# Altium PCB Bran_Main_Assay_PCB_v1.PcbDoc (part 3 of 4)
Units mil, origin at the board's own origin, x right, y up, seen from the top; angles counter-clockwise.
Board outline 3464.57 x 1881.89 mil, 6 copper layers (TOP, GND1, Singal, POWER, GND2, BOTTOM), stack 47.65 mil thick; 366 components, 309 nets, 1358 pads, 596 vias.
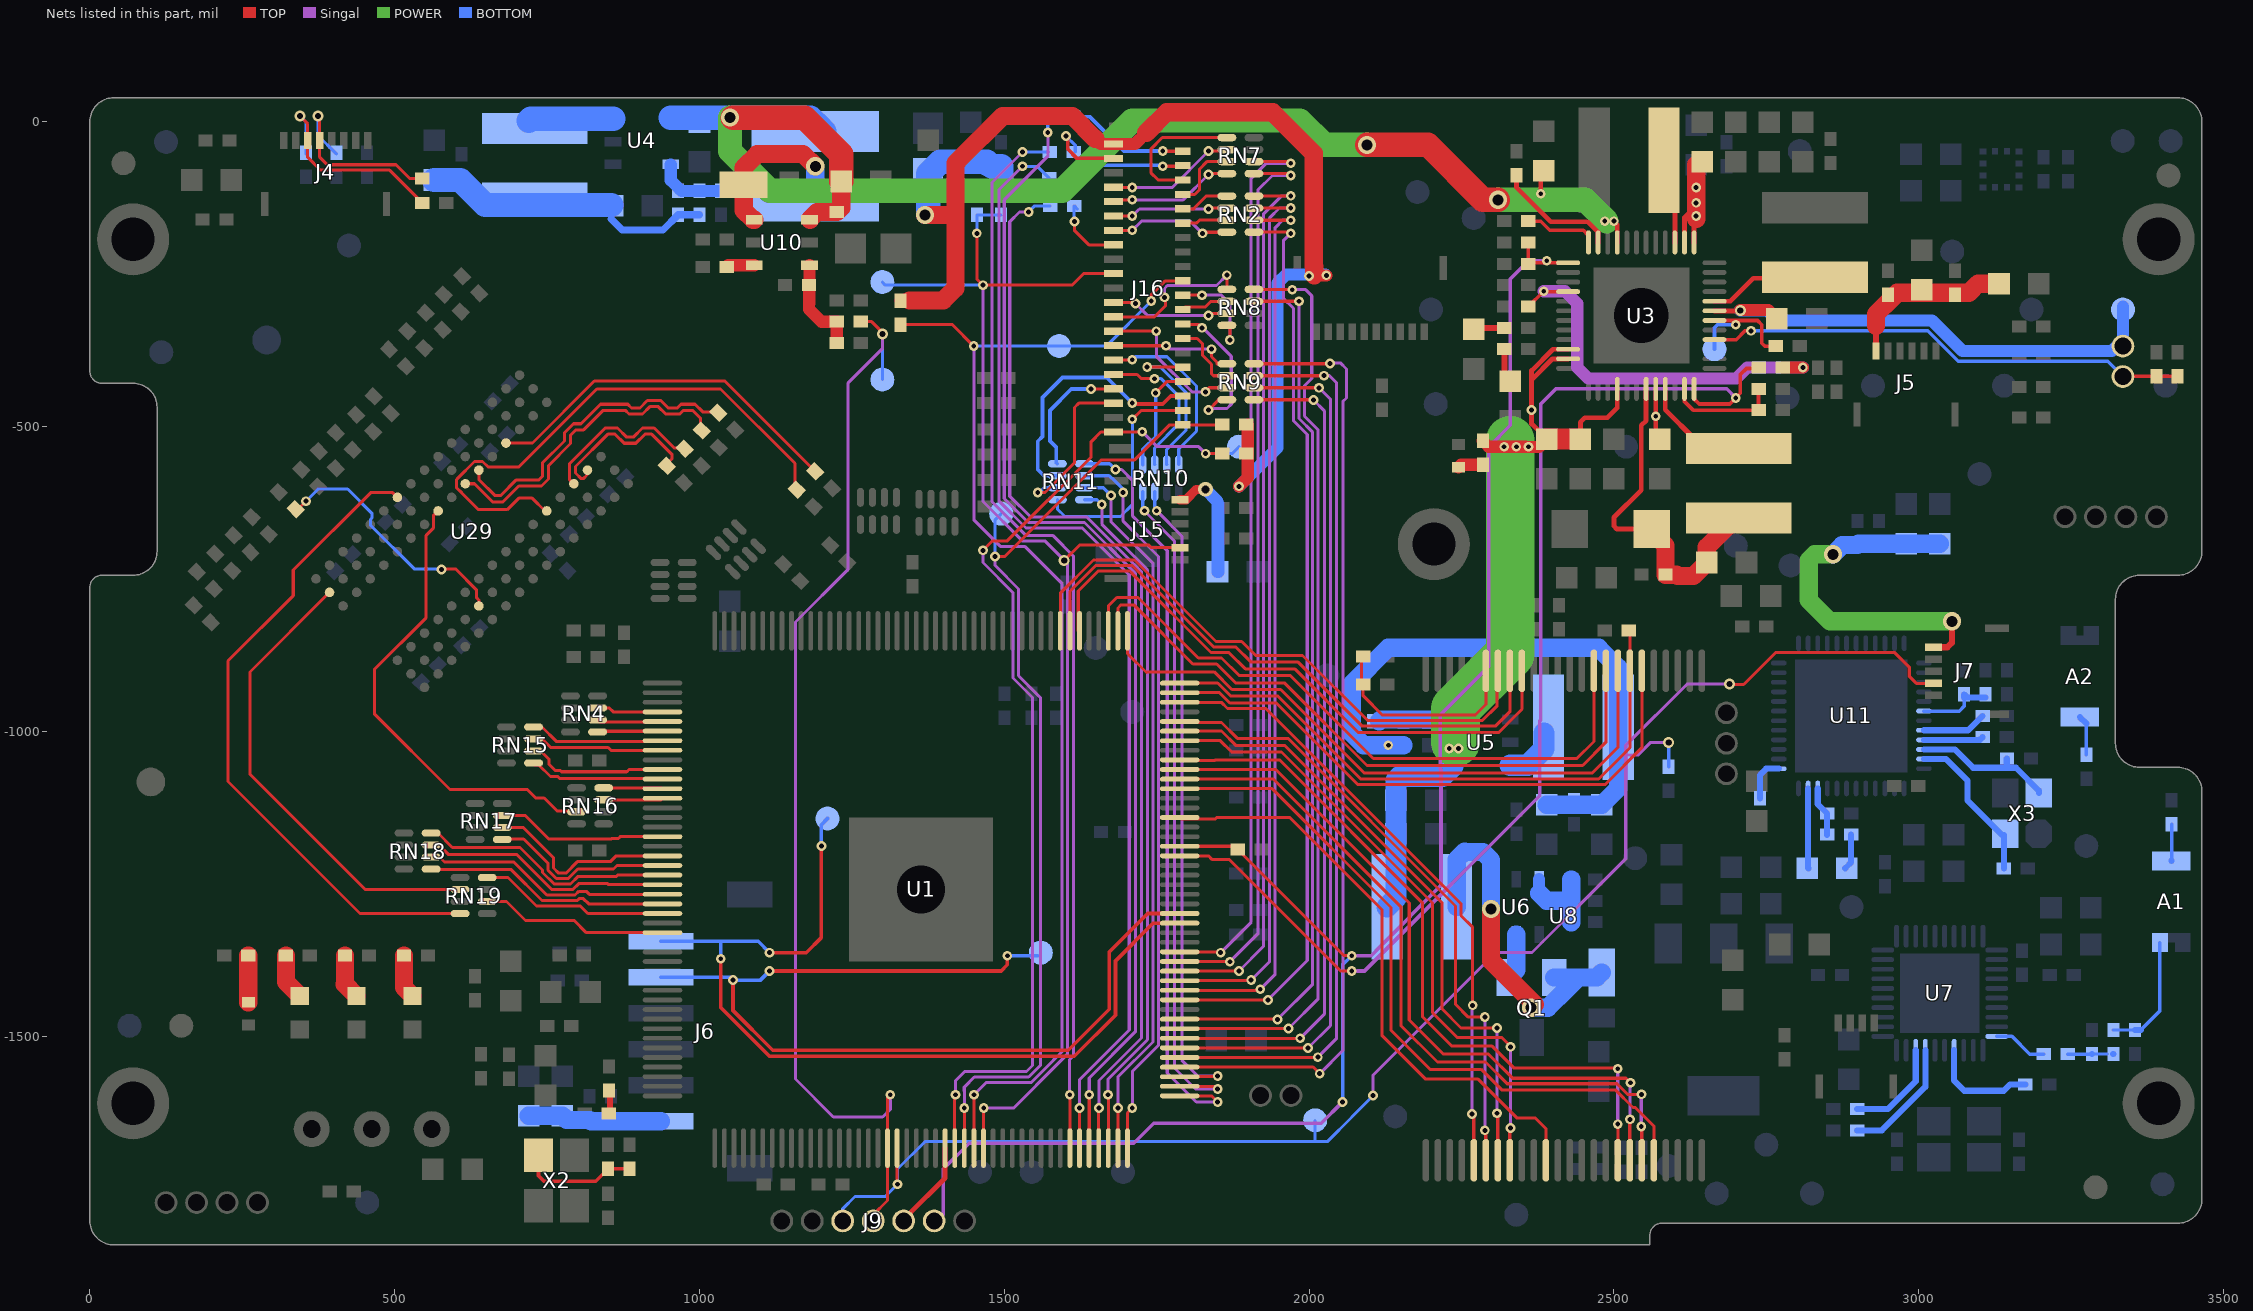
[diagram p7: the nets of this part, all layers, seen from the top]

## Via types
v1: diameter 16, hole 8, TOP to BOTTOM, tented both sides, 396 vias
v2: diameter 30, hole 18, TOP to BOTTOM, tented both sides, 64 vias
v3: diameter 18, hole 10, TOP to BOTTOM, tented both sides, 60 vias
v4: diameter 22, hole 12, TOP to BOTTOM, tented both sides, 35 vias
v5: diameter 25.98, hole 12.99, TOP to BOTTOM, tented both sides, 16 vias
v6: diameter 24, hole 13, TOP to BOTTOM, tented both sides, 15 vias
v7: diameter 19.68, hole 7.87, TOP to BOTTOM, tented both sides, 9 vias
v8: diameter 17.99, hole 10, TOP to BOTTOM, tented both sides, 1 vias

## Nets (pads, with @x,y where several pads share a name; then routed paths per layer and width w, separated by ;. In a path a pad name is that pad's centre, name@x,y a point inside that pad or via, vN(x,y) a via of type N, cw(c..) or ccw(c..) an arc to the next point about the centre after c; other vN are vias at no path point) (continued)
IPSOUT: C39.1 C40.2 C47.1 C50.1 C57.1 C64.1 C67.1 C68.1 C72.1 C114.2 C115.2 J12.1 L6.1 L7.1 R20.1 TP36.1 U3.7 U3.13 U3.14 U3.21 U3.34 U3.35 U3.40 U3.44 U4.4 U5.4 U10.6 | length 4907.3
  TOP w8: v1(2380,-118.15) 2380,-85.65 C67.1@2385,-80.65 ; C40.2@2390,-520.65 2365,-495.65 v1(2365,-473.15) 2365,-423.15 ; U3.35@2424.92,-389.02 2398.91,-389.02 2398.91,-389.24 2365,-423.15 ; U3.34@2424.92,-373.27 2400.13,-373.27 2365,-408.4 2365,-423.15 ; C68.1@2445,-520.65 2445,-493.15 2452.5,-485.65 2489.47,-485.65 2505.63,-469.49 U3.40@2505.63,-438.23 ; v1(2500,-163.15) 2505.63,-168.78 U3.21@2505.63,-198.07 ; U3.44@2568.62,-438.23 v1(2568.62,-483.15) 2568.62,-514.27 C39.1@2575,-520.65 ; U3.14@2615.87,-198.07 2615.87,-157.28 2623.39,-149.76 2631.61,-149.76 2631.61,-154.76 U3.13@2631.61,-198.07 ; U3.7@2665.08,-310.28 2706.72,-310.28 v3(2707.37,-309.63) v3@2707.98,-309.02
  TOP w20: R20.1@2285,-523.46 2294.69,-533.15 v1(2320,-533.15) v1(2340,-533.15) v1@2354.69,-533.15 ; v1@2355,-533.46 2360,-533.46 2377.19,-533.46 C40.2@2390,-520.65 ; v3@2707.37,-309.02 2707.98,-309.02 2753.37,-309.02 C47.1@2767.5,-323.15
  TOP w30: U10.6@1181.4,-160.75 1181.4,-159.62 1192.87,-148.15 C115.2@1225.31,-148.15 1232.5,-140.96 C114.2@1232.5,-98.15 ; v1@2635,-159.76 v1(2635,-154.76) v1(2635,-133.15) v1(2635,-108.15) C57.1@2635,-70.65
  TOP w35: C40.2@2390,-520.65 C68.1@2445,-520.65
  TOP w40: v2@1054.89,6.74 1172.61,6.74 1232.5,-53.15 C114.2@1232.5,-98.15 ; v2(2095,-38.15) 2195.15,-38.15 2285.15,-128.15 v2(2310,-128.15)
  POWER w35: v1(2230,-1028.15) 2237.5,-1020.65 2240,-1018.15
  POWER w40: v2(1050,6.85) 1050,-48.15 1115,-113.15 1595,-113.15 1710,1.85 1985,1.85 2025,-38.15 v2(2095,-38.15) ; v2(2310,-128.15) 2380,-128.15 2453,-128.15 2486.5,-161.65 v1@2488,-163.15
  POWER w80: 2240,-1018.15 2240,-963.15 2330,-873.15 2330,-533.15 2330,-523.15
  BOTTOM w20: v3(2707.37,-309.63) 2751.48,-309.63 2768,-326.15 3022.04,-326.15 3072.04,-376.15 3317,-376.15 3330,-363.15 J12.1@3335,-368.15 TP36.1@3335,-308.15 TP36.1@3335,-303.15
  BOTTOM w35: L6.1@2127.91,-1288.15 2142.5,-1273.56 C72.1@2142.5,-1168.15 C64.1@2142.5,-1113.15 2142.5,-1080.65 2149.22,-1073.93 2219.1,-1073.93 U5.4@2235.51,-1057.52 2235.51,-1039.17 2234.74,-1038.41 2230,-1033.66 v1(2230,-1028.15)
  BOTTOM w40: U4.4@952.86,6.74 1000,6.74 1050,6.74 1182.2,6.74 1197.5,-8.56 L7.1@1205,-16.06
  other v1: 2245,-1028.15 2360,-533.15 2485,-163.15
JTAG_CLK: J9.5 U1.113 | length 142
  TOP w8: J9.5@1335,-1793.15 1342.63,-1793.15 1402.96,-1732.82 U1.113@1402.96,-1683.75
LCD-BL-EN: J9.4 R47.2 TP51.1 U1.107 | length 1820.7
  TOP w5: R47.2@1264.69,-328.15 1282.5,-328.15 1300,-345.65 v3(1300,-348.15) ; J9.4@1285,-1793.15 1308.47,-1769.68 U1.107@1308.47,-1683.75 1308.47,-1600.68 v1(1313,-1596.15)
  Singal w5: v3(1300,-348.15) 1300,-372.69 1243.37,-429.32 1243.37,-734.78 1157.37,-820.78 1157.37,-1570.52 1219.5,-1632.65 1300.5,-1632.65 1313,-1620.15 v1(1313,-1596.15)
  BOTTOM w5: TP51.1@1300,-423.15 v3(1300,-348.15)
LCD-CLK: R54.2 U1.129 | length 1768.6
  TOP w5: U1.129@1654.93,-1683.75 v1@1654.93,-1618.59
  Singal w5: v1(1540,-148.15) 1525,-148.15 1509,-164.15 1509,-614.42 1543.21,-648.63 1635.48,-648.63 1725,-738.15 1725,-1503.15 1655.37,-1572.78 v1(1655.37,-1618.15)
  BOTTOM w5: v1(1540,-148.15) 1550,-138.15 R54.2@1575.31,-138.15
LCD-D2: RN7.2 U1.148 | length 1493.5
  TOP w5: U1.148@1787.8,-1361.9 v1@1853.75,-1361.9 ; RN7.2@1909.6,-65.47 1967.32,-65.47 v1(1970,-68.15)
  Singal w5: v1(1855,-1363.15) 1905,-1313.15 1905,-93.15 1930,-68.15 v1(1970,-68.15)
LCD-D3: RN7.1 U1.147 | length 1492.3
  TOP w5: U1.147@1787.8,-1377.65 1848.99,-1377.65 ; 1848.99,-1377.65 v1@1869.5,-1377.65 ; RN7.1@1909.6,-85.16 1967.01,-85.16 v1(1970,-88.15)
  Singal w5: v1(1870,-1378.15) 1916,-1332.15 1916,-112.15 1940,-88.15 v1(1970,-88.15)
LCD-D4: RN2.4 U1.146 | length 1472.4
  TOP w5: U1.146@1787.8,-1393.4 v1@1884.75,-1393.4 ; RN2.4@1909.6,-122.1 v1@1969.53,-122.1
  Singal w5: v1(1885,-1393.15) 1925,-1353.15 1925,-151.63 1955,-121.63 v1(1970,-121.63)
LCD-D5: RN2.3 U1.145 | length 1480.7
  TOP w5: U1.145@1787.8,-1409.15 v1@1904,-1409.15 ; RN2.3@1909.6,-141.79 v1@1969.84,-141.79
  Singal w5: v1(1905,-1408.15) 1935.37,-1377.78 1935.37,-157.78 1951.52,-141.63 v1(1970,-141.63)
LCD-D6: RN2.2 U1.144 | length 1480.8
  TOP w5: U1.144@1787.8,-1424.89 v1@1918.26,-1424.89
  TOP w6: RN2.2@1909.6,-161.47 v1@1969.84,-161.47
  Singal w5: v1(1920,-1423.15) 1944.37,-1398.78 1944.37,-173.78 1956.52,-161.63 v1(1970,-161.63)
LCD-D7: RN2.1 U1.143 | length 1508.6
  TOP w5: U1.143@1787.8,-1440.64 v1(1932.51,-1440.64) ; RN2.1@1909.6,-181.16 v1@1968.01,-181.16
  Singal w5: v1(1932.51,-1440.64) 1997,-1376.15 1997,-513.24 1974.37,-490.61 1974.37,-306.14 1957.87,-289.64 1957.87,-195.28 v1(1970,-183.15)
LCD-D10: RN8.3 U1.141 | length 1445.9
  TOP w5: U1.141@1787.8,-1472.14 1947.88,-1472.14 v1(1948.37,-1472.63)
  TOP w6: RN8.3@1909.6,-294.79 1983.21,-294.79 v1(1983.37,-294.63)
  Singal w5: v1(1948.37,-1472.63) 2006,-1415 2006,-509.51 1983.37,-486.88 v1(1983.37,-294.63)
LCD-D11: RN8.4 U1.140 | length 1514.1
  TOP w5: U1.140@1787.8,-1487.89 1966.12,-1487.89 v1(1966.37,-1487.63) ; RN8.4@1909.6,-275.1 v1@1972.37,-275.1
  Singal w5: v1(1966.37,-1487.63) 2015,-1439 2015,-505.78 1992.37,-483.15 1992.37,-433.15 2004.37,-421.15 2004.37,-285.63 1994.37,-275.63 v1(1972.37,-275.63)
LCD-D12: RN9.1 U1.139 | length 1366.3
  TOP w5: U1.139@1787.8,-1503.62 v1(1985.37,-1503.63) ; RN9.1@1909.6,-456.16 2006.9,-456.16 v1(2007.37,-456.63)
  Singal w5: v1(1985.37,-1503.63) 2025,-1464 2025,-474.26 v1(2007.37,-456.63)
LCD-D13: RN9.2 U1.138 | length 1423.5
  TOP w5: U1.138@1787.8,-1519.38 1998.12,-1519.38 v1(1998.37,-1519.63)
  TOP w6: RN9.2@1909.6,-436.47 2016.37,-436.47 v1(2016.37,-436.63)
  Singal w5: v1(1998.37,-1519.63) 2035,-1483 2035,-455.26 v1(2016.37,-436.63)
LCD-D14: RN9.3 U1.137 | length 1486.5
  TOP w5: U1.137@1787.8,-1535.12 2013.88,-1535.12 v1(2014.37,-1534.63) ; RN9.3@1909.6,-416.79 2024.37,-416.79 v1(2024.37,-416.63)
  Singal w5: v1(2014.37,-1534.63) 2045.37,-1503.63 2045.37,-428.63 2033.37,-416.63 v1(2024.37,-416.63)
LCD-D15: RN9.4 U1.136 | length 1565
  TOP w5: U1.136@1787.8,-1550.88 2006.62,-1550.88 v1(2017.37,-1561.63) ; RN9.4@1909.6,-397.1 2034.37,-397.1 v1(2034.37,-396.63)
  Singal w5: v1(2017.37,-1561.63) 2055.5,-1523.5 2055.5,-459.02 2061.37,-453.15 2061.37,-405.63 2051.37,-395.63 2035.37,-395.63 v1(2034.37,-396.63)
LCD-D18: RN10.3 U1.135 | length 1081.3
  TOP w5: U1.135@1787.8,-1566.62 1847.38,-1566.62 v1@1848.37,-1565.63
  Singal w5: v1(1750,-638.15) 1791.37,-679.52 1791.37,-1539.52 1817.48,-1565.63 v1(1850,-1565.63)
  BOTTOM w5: RN10.3@1746.88,-607.05 1746.88,-635.03 v1(1750,-638.15)
LCD-D19: RN10.4 U1.134 | length 1112.1
  TOP w5: U1.134@1787.8,-1582.37 1845.48,-1582.37 v1(1850,-1586.89)
  Singal w5: v1(1730,-638.15) 1730,-638.66 1779.37,-688.03 1779.37,-1552.52 1813.74,-1586.89 v1(1850,-1586.89)
  BOTTOM w5: v1@1727.19,-635.34 RN10.4@1727.19,-607.05
LCD-D20: RN11.1 U1.133 | length 1254.5
  TOP w5: U1.133@1787.8,-1598.12 1839.97,-1598.12 v1(1850,-1608.15)
  Singal w5: v1(1682.37,-570.63) 1692.48,-570.63 1710,-588.15 1710,-646.26 1767.37,-703.63 1767.37,-1560.52 1815,-1608.15 v1(1850,-1608.15)
  BOTTOM w5: RN11.1@1631.6,-561.1 1672.84,-561.1 v1(1682.37,-570.63)
LCD-D21: RN11.2 U1.132 | length 1198.3
  TOP w5: U1.132@1702.17,-1683.75 1702.17,-1625.98 v1(1710,-1618.15)
  Singal w5: v1(1695,-608.15) 1695,-655.26 1753,-713.26 1753,-1515.15 1710,-1558.15 v1(1710,-1618.15)
  BOTTOM w5: RN11.2@1631.6,-580.79 1672.02,-580.79 1676.36,-585.13 1676.98,-585.13 1695,-603.15 v1(1695,-608.15)
LCD-D22: RN11.3 U1.131 | length 1172
  TOP w5: U1.131@1686.42,-1683.75 v1@1686.42,-1618.2
  Singal w5: v1(1675,-613.15) 1675,-656.38 1690.87,-672.26 1740.37,-720.63 1744,-724.26 1744,-1509.61 1686.37,-1567.24 v1(1686.37,-1618.15)
  BOTTOM w6: RN11.3@1631.6,-600.47 1662.32,-600.47 v1(1675,-613.15)
LCD-D23: RN11.4 U1.130 | length 1144.8
  TOP w5: U1.130@1670.68,-1683.75 v1@1670.68,-1596.46
  Singal w5: v1(1660,-628.15) 1660,-660.26 1735,-735.26 1735,-1505.88 1670.37,-1570.51 v1(1670.37,-1596.15)
  BOTTOM w5: RN11.4@1631.6,-620.16 1652.01,-620.16 v1(1660,-628.15)
LCD-DE: R44.2 U1.128 | length 1896.2
  TOP w5: U1.128@1639.18,-1683.75 1639.37,-1683.55 v1(1639.37,-1596.15)
  Singal w5: v1(1571.37,-17.63) 1571.37,-56.78 1500,-128.15 1500,-618.15 1539.48,-657.63 1631.75,-657.63 1715,-740.88 1715,-1493.15 1639.37,-1568.78 v1(1639.37,-1596.15)
  BOTTOM w5: R44.2@1571.32,8.37 1571.32,-17.58 v1(1571.37,-17.63)
LCD-HSYNC: R46.2 U1.127 | length 1855
  TOP w5: v1(1623.37,-1618.15) 1623.37,-1683.69 U1.127@1623.43,-1683.75
  Singal w5: v1(1530,-73.15) 1491,-112.15 1491,-621.88 1535.75,-666.63 1628.02,-666.63 1705,-743.61 1705,-1490 1623.37,-1571.63 v1(1623.37,-1618.15)
  BOTTOM w5: v1(1530,-73.15) 1554.2,-73.15 R46.2@1573.69,-92.63
LCD-RESET-N: C120.2 J15.5 J16.19 R55.1 TP52.1 U1.117 | length 2330.4
  TOP w5: v1(1455,-183.15) 1455,-258.15 v1(1465,-268.15) 1611.06,-268.15 1630,-249.21 J16.19@1679.34,-249.21 ; U1.117@1465.95,-1683.75 v1@1465.95,-1618.57 ; v3(1598.37,-719.63) 1623.37,-694.63 1737.18,-694.63 1741.37,-698.82 J15.5@1788.1,-698.82
  Singal w5: v1(1465,-268.15) 1465,-623.15 1529.48,-687.63 1566.37,-687.63 v3(1598.37,-719.63) 1604,-725.26 1604,-1529 1589.37,-1543.63 1589.37,-1543.88 1515.1,-1618.15 v1(1466.37,-1618.15)
  BOTTOM w5: TP52.1@1300,-263.15 1305,-268.15 v1(1465,-268.15) ; v1(1455,-183.15) C120.2@1455,-152.83 R55.1@1495,-152.83
LCD-SPI1_CLK: J16.40 R79.2 TP54.1 U1.115 | length 1639.5
  TOP w5: U1.115@1434.46,-1683.75 v1@1434.46,-1618.24 ; v1(1485,-713.15) 1500.85,-713.15 1659.37,-554.63 1713.98,-554.63 1771.37,-497.24 J16.40@1792.53,-497.24 1854.71,-497.24 R79.2@1855.32,-496.63
  Singal w5: v1(1434.37,-1618.15) 1434.5,-1618.02 1434.5,-1590.14 1434.37,-1590.01 1434.37,-1583.78 1451,-1567.15 1540.1,-1567.15 1559.37,-1547.88 1559.37,-944.79 1523.37,-908.79 1523.37,-766.52 1485,-728.15 v1(1485,-713.15)
  BOTTOM w5: v1(1485,-713.15) 1485,-653.15 TP54.1@1495,-643.15
LCD-SPI1_CS0: J16.41 R80.2 TP53.1 U1.114 | length 1684.6
  TOP w5: U1.114@1418.71,-1683.75 v1@1418.71,-1597.44 ; v1(1465,-703.15) 1480,-688.15 1504.28,-688.15 1642.44,-549.99 1642.44,-524.99 1658.37,-509.06 J16.41@1679.34,-509.06 1725.94,-509.06 v1(1726.37,-508.63) ; v1(1830.37,-544.63) R80.2@1855.32,-544.63
  Singal w5: v1(1420,-1596.15) 1420,-1573.15 1435,-1558.15 1536.37,-1558.15 1546.37,-1548.15 1546.37,-944.52 1514.37,-912.52 1514.37,-772.52 1465,-723.15 v1(1465,-703.15) ; v1(1726.37,-508.63) 1750.89,-533.15 1818.89,-533.15 v1(1830.37,-544.63)
  BOTTOM w5: v1(1830.37,-544.63) 1873.52,-544.63 TP53.1@1885,-533.15
LCD-SPI1_MOSI: J16.20 R81.2 TP55.1 U1.116 | length 2029.6
  TOP w5: R81.2@1330,-332.83 1414.69,-332.83 v1(1450,-368.15) ; U1.116@1450.2,-1683.75 v1@1450.2,-1596.32 ; v1(1741.13,-294.09) 1741.13,-284.02 1764.13,-261.02 J16.20@1792.53,-261.02
  Singal w5: v1(1450,-368.15) 1450,-653.15 1493.48,-696.63 1533.48,-696.63 1595,-758.15 1595,-1525.27 1580.37,-1539.9 1580.37,-1540.15 1544.37,-1576.15 1470.37,-1576.15 v1(1450.37,-1596.15)
  BOTTOM w5: v1(1450,-368.15) TP55.1@1590,-368.15 1667.07,-368.15 v1(1741.13,-294.09)
LCD-VCC: C122.2 C123.2 J16.1 R55.2 R79.1 R80.1 R81.1 R136.2 | length 2190.4
  TOP w20: R81.1@1330,-293.46 1345,-293.46 ; 1425,-205.65 1425,-63.15 ; 1649.13,-28.15 1657.59,-36.61 J16.1@1679.34,-36.61 1714.37,-36.61 1732.86,-18.12 ; v1(1885,-598.15) 1899.42,-583.73 1899.42,-544.63 R79.1@1899.42,-496.63 ; 2008.37,-252.11 v1(2028.37,-252.11)
  TOP w30: 1345,-293.46 1399.69,-293.46 1420,-273.15 1420,-153.15 ; v2(1370,-153.15) 1420,-153.15 ; 1649.13,-28.15 1611.61,9.37 1497.52,9.37 1425,-63.15 1420,-68.15 1420,-153.15 ; 1732.86,-18.12 1766.35,15.37 1940.42,15.37 2007.64,-51.85 2007.64,-236.12 ; 2008.37,-252.11 2008.37,-238.15
  BOTTOM w20: v1(1885,-598.15) 1948.37,-534.78 1948.37,-264.78 1962.52,-250.63 2000,-250.63 v1@2026.89,-250.63
  BOTTOM w40: v2@1375,-148.15 R136.2@1375,-85.55 1394.9,-65.65 C122.2@1445,-65.65 1471.59,-65.65 1471.59,-69.28 1475.6,-69.28 1479.16,-72.83 C123.2@1495,-72.83 R55.2@1495,-113.46
  other v1: 2000,-253.15
LCD-VSYNC: R45.2 U1.126 | length 1781.3
  TOP w5: v1(1607.37,-1596.15) 1607.68,-1596.46 U1.126@1607.68,-1683.75
  Singal w5: v1(1530,-49.63) 1480,-99.63 1480,-623.61 1535.02,-678.63 1579.29,-678.63 1613.87,-713.21 1613.87,-1531.86 1607.37,-1538.36 v1(1607.37,-1596.15)
  BOTTOM w5: v1(1530,-49.63) R45.2@1572.32,-49.63
MICM: C1.1 R2.2 | length 35.8
  TOP w10: C1.1@851.37,-1591.68 853.42,-1593.73 R2.2@853.42,-1626.63
N495902: D4.1 J12.2 R28.1 U3.4 | length 797.1
  TOP w6: U3.4@2665.08,-357.52 2700.63,-357.52 2715,-343.15 v1(2725,-343.15) ; J12.2@3335,-418.15 3335.32,-417.83 R28.1@3390,-417.83 D4.1@3425,-417.83
  BOTTOM w6: v1(2725,-343.15) 3015,-343.15 3065,-393.15 3310,-393.15 J12.2@3335,-418.15
N496392: C42.1 C44.1 L1.1 R11.2 U3.43 | length 568.1
  TOP w8: U3.43@2552.87,-438.23 2552.62,-438.48 2552.62,-489.78 2552.87,-490.03 2552.87,-490.28 2545,-498.15 2545,-604.37 2500,-649.37 2500,-663.15 2505,-668.15 2557.32,-668.15 R11.2@2562.32,-668.15
  TOP w30: R11.2@2557.32,-668.15 2559.82,-670.65 2584.69,-695.51 C42.1@2584.69,-743.15 2602.5,-743.15 2604.46,-745.11 2630.54,-745.11 C44.1@2652.5,-723.15 2652.5,-697.74 L1.1@2700,-650.24
N496496: L2.1 U3.8 | length 181.2
  TOP w8: U3.8@2665.08,-294.53 2691.09,-294.53 2728.73,-256.88 2828.35,-256.88 L2.1@2830,-255.24
N496956: C70.2 R22.1 U3.47 | length 183.2
  TOP w6: U3.47@2615.87,-438.23 2615.87,-459.02 2630,-473.15 R22.1@2737.38,-473.15 C70.2@2737.37,-438.15
N497310: C62.2 U3.24 | length 120.1
  TOP w6: C62.2@2359.69,-163.15 2380,-163.15 2395,-178.15 2450,-178.15 ; 2449.9,-178.05 2450,-178.15 ; U3.24@2458.39,-198.07 2458.39,-186.54 2450,-178.15
N497342: R19.2 U3.23 | length 201.3
  TOP w8: R19.2@2340,-87.83 2340,-107.59 2396.56,-164.15 2457.09,-164.15 2474.13,-181.19 U3.23@2474.13,-198.07
N497492: L4.1 U3.15 | length 137.4
  TOP w8: L4.1@2565,-75.24 2565,-83.15 2600.12,-118.27 U3.15@2600.12,-198.07
N497618: L1.2 U3.45 | length 160.2
  TOP w8: U3.45@2584.37,-438.23 2584.37,-472.52 2633.99,-522.14 L1.2@2689.69,-522.14
N499368: C43.1 C51.1 C52.1 L3.1 L13.2 R13.2 | length 469.7
  BOTTOM w12: 855.37,-159.63 873.37,-177.63 940.2,-177.63 C43.1@965,-152.83 R13.2@1000,-152.83
  BOTTOM w40: L13.2@565,-95.65 607.8,-95.65 648.78,-136.63 730,-136.63 C52.1@855.37,-136.63
N499376: C43.2 R12.2 R13.1 U4.5 | length 115.3
  BOTTOM w20: U4.5@952.86,-70.03 952.86,-96.01 967.66,-110.81 970.31,-113.46 R13.1@1000,-113.46 R12.2@1035,-113.46
N499488: L3.2 U4.3 | length 139.8
  BOTTOM w40: L3.2@720,1.34 723.43,4.77 730,4.77 U4.3@858.37,4.77
N502826: C58.1 C65.1 C66.1 L5.1 L12.2 R18.2 | length 975.5
  BOTTOM w30: R18.2@2155,-1022.83 v1(2130,-1022.83) C58.1@2105,-1022.83 2089.16,-1022.83 2089.16,-1022.31 2070,-1003.15 2070,-922.86 2129.71,-863.15 2475,-863.15 2507.09,-895.24 L5.1@2507.09,-993.15 2507.09,-1093.56 C66.1@2480,-1120.65 2435,-1120.65 L12.2@2390,-1120.65
N502890: C58.2 R17.2 R18.1 U5.5 | length 121.6
  BOTTOM w30: 2115,-983.46 2117.72,-980.75 2155,-980.75 2195,-980.75 U5.5@2235.51,-980.75
N502982: L5.2 U5.3 | length 92.3
  BOTTOM w35: U5.3@2330,-1055.55 2358.8,-1055.55 2385.51,-1028.83 L5.2@2385.51,-1003.15
N503747: D3.1 L6.2 Q1.2 U6.4 | length 598
  TOP w30: v2(2298.31,-1291.46) 2298.31,-1376.46 2369.62,-1447.77 2370,-1448.15 2364.79,-1453.36 v2(2364.03,-1453.36)
  BOTTOM w30: L6.2@2242.09,-1288.15 2242.09,-1210.65 2254.59,-1198.15 ; 2255.45,-1197.29 2254.59,-1198.15 ; v2(2298.31,-1291.46) 2298.31,-1242.87 2298.31,-1211.46 2285,-1198.15 2254.59,-1198.15 ; v2(2364.03,-1453.36) 2391.88,-1453.36 2421.85,-1423.39 2440,-1405.24 ; Q1.2@2402.4,-1403.94 2440,-1403.94 ; 2439.35,-1404.59 2440,-1403.94 ; D3.1@2480,-1395.75 2471.81,-1403.94 2440,-1403.94
N504051: C201.2 R24.1 R27.2 U6.6 | length 150.8
  BOTTOM w20: 2377.4,-1265.55 U6.6@2377.4,-1242.87
  BOTTOM w30: 2377.4,-1265.55 2390,-1278.15 R24.1@2430.32,-1278.15 ; C201.2@2430.31,-1313.15 R24.1@2430.32,-1278.15 ; R27.2@2430.31,-1243.15 R24.1@2430.32,-1278.15
N521583: C118.2 R47.1 R48.2 U10.4 | length 191.6
  TOP w20: C118.2@1179.69,-268.15 1179.69,-307.83 1200,-328.15 R47.1@1225.32,-328.15 R48.2@1225.31,-363.15 ; 1180.28,-298.43 1180.28,-268.15 U10.4@1180.28,-235.55
N521687: D12.1 L7.2 U10.1 | length 291.7
  TOP w30: U10.1@1089.72,-160.75 1087.8,-160.75 1072.6,-145.55 D12.1@1072.6,-103.15 1072.6,-75.5 1094.94,-53.15 1170,-53.15 v2(1190,-73.15)
  BOTTOM w30: v2(1190,-73.15) 1190,-115.24 1197.5,-122.74 L7.2@1205,-130.24
N521733: R49.1 U10.3 | length 46.1
  TOP w20: R49.1@1044.69,-238.15 1047.28,-235.55 U10.3@1089.72,-235.55
N9585783: D7.1 J4.4 R158.1 | length 322.2
  TOP w5: v3@376.97,6.77 J4.4@376.97,-30.71 376.97,-58.23 389.37,-70.63 502.1,-70.63 524.62,-93.15 R158.1@545.32,-93.15
  BOTTOM w5: v3(374.37,9.37) 374.37,-22.63 403.53,-51.79 D7.1@404.37,-52.63
N16790901: D1.1 R20.2 | length 41.7
  TOP w20: D1.1@2245,-566.85 2249.02,-562.83 R20.2@2285,-562.83
N16794048: D16.1 R26.1 | length 76.4
  TOP w30: R26.1@259.69,-1368.15 260,-1368.46 D16.1@260,-1444.45
N16922120: C54.1 R15.2 | length 51.4
  TOP w10: C54.1@2270,-340.65 2272.5,-338.15 R15.2@2320.31,-338.15
N16974975: J16.3 R45.1 | length 136.3
  TOP w6: v1(1601.37,-23.63) 1604.37,-26.63 1604.37,-45.24 1619.37,-60.24 J16.3@1679.34,-60.24
  BOTTOM w5: v1(1601.37,-23.63) 1616.42,-38.68 R45.1@1616.42,-49.63
N16974977: J16.4 R46.1 | length 187.1
  TOP w6: v1(1760,-73.15) 1791.43,-73.15 J16.4@1792.53,-72.05
  BOTTOM w6: R46.1@1613.06,-92.63 1634.06,-71.63 v1@1758.48,-71.63
N16975074: J16.2 R44.1 | length 202.6
  TOP w6: v1@1760.28,-48.43 J16.2@1792.53,-48.43
  BOTTOM w6: R44.1@1613.06,8.37 1640,8.37 1696.52,-48.15 v1(1760,-48.15)
N16976082: J16.6 RN7.5 | length 228.3
  TOP w5: J16.6@1792.53,-95.67 1792.49,-95.63 1752.37,-95.63 1740.37,-83.63 1740.37,-45.1 1759.37,-26.1 RN7.5@1865.12,-26.1
N16976085: J16.7 RN7.6 | length 219
  TOP w5: J16.7@1679.34,-107.48 1680.01,-108.15 v1(1710,-108.15) ; v1(1835,-48.15) 1862.76,-48.15 RN7.6@1865.12,-45.79 ; RN7.6@1865.12,-46.63 RN7.6@1871.37,-46.63
  TOP w6: RN7.6@1865.12,-46.63 RN7.6@1865.12,-45.79